# Altium PCB PCB.PcbDoc (part 4 of 10) (continued)
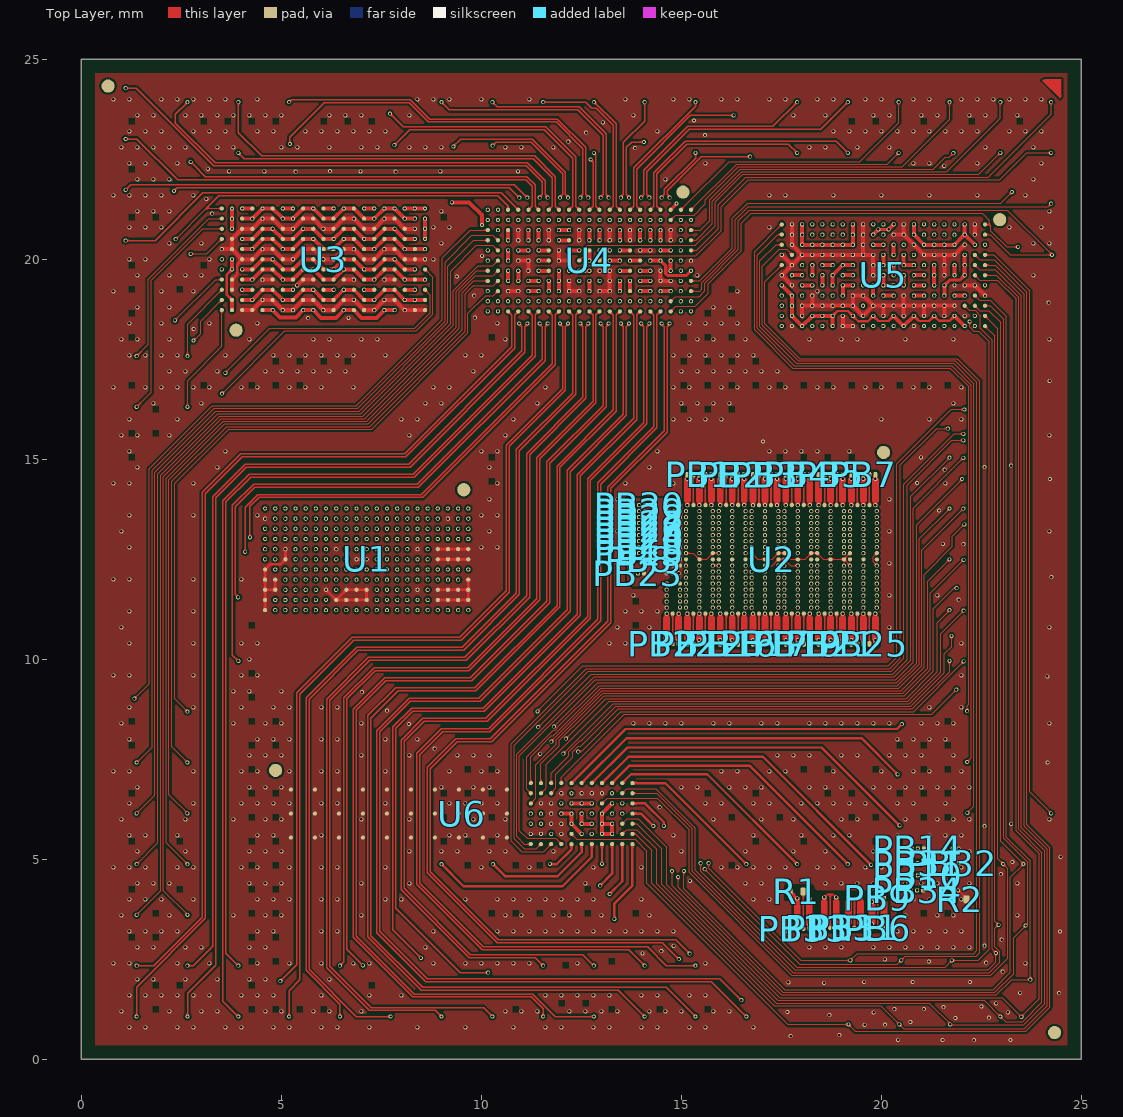
[diagram p0: Top Layer view]
## Nets (pads, with @x,y where several pads share a name; then routed paths per layer and width w, separated by ;. In a path a pad name is that pad's centre, name@x,y a point inside that pad or via, vN(x,y) a via of type N, cw(c..) or ccw(c..) an arc to the next point about the centre after c; other vN are vias at no path point) (continued)
  Core1b w0.1: v3(2.34,17.58) v6(2.655,17.581)
  bu3b w0.1: v3(2.34,17.58) v4(2.54,17.58)
  bu2 w0.03: v6(2.655,17.581) 2.666,17.569 2.813,17.569 5.269,15.113 5.269,13.392 5.263,13.386 5.263,13.098 v2@5.353,13.008
  bu2b w0.1: v3(2.34,17.58) v4(2.54,17.58)
  bu1 w0.03: v6(2.655,17.581) 2.655,17.132 2.811,16.976 4.163,16.976 5.913,15.226 12.636,15.226 13.683,14.179 14.9,14.179 15.212,13.867 15.212,13.649 v2(15.117,13.554)
  bu1b w0.1: v3(2.34,17.58) v6(2.655,17.581)
  other v1: 5.356,13.009 15.117,13.554 2.655,17.581
  other v2: 5.356,13.009 2.655,17.581
  other v5: 15.117,13.554 2.655,17.581
  other v7: 2.655,17.581
  other v8: 2.34,17.58
  other v10: 2.34,17.58
sig_F19: J1.F19 U1.B5 U2.341 U3.U10 | length 28.9
  Top Layer w0.03: v7(1.385,17.581) 1.678,17.874 1.678,19.508 3.187,21.017 U3.U10@3.513,21.017
  Core1 w0.1: v3(1.07,17.58) v7(1.385,17.581)
  Core1b w0.1: v3(1.07,17.58) v7(1.385,17.581)
  bu3b w0.1: v3(1.07,17.58) v4(1.27,17.58)
  bu2 w0.03: v7(1.385,17.581) 1.562,17.581 4.676,14.467 4.676,13.932 4.689,13.919 4.689,12.913 v1(4.848,12.754) ; v5(13.526,13.89) 13.532,13.896 13.532,13.959 13.693,14.12 14.955,14.12 15.288,13.787 15.288,13.125 v1(15.117,12.954)
  bu2b w0.1: v3(1.07,17.58) v4(1.27,17.58)
  bu1 w0.03: v7(1.385,17.581) 2.216,16.749 4.069,16.749 5.819,14.999 12.542,14.999 13.526,14.015 v5(13.526,13.89)
  bu1b w0.05: v3(1.07,17.58) v7(1.385,17.581)
  other v1: 1.385,17.581
  other v2: 4.848,12.754 15.117,12.954 1.385,17.581
  other v5: 1.385,17.581
  other v6: 1.385,17.581
  other v8: 1.07,17.58
  other v10: 1.07,17.58
sig_G1: J1.G1 U1.R1 U2.176 U6.D11 | length 44.6
  Top Layer w0.03: v1(11.421,8.304) 12.748,9.631 20.286,9.631 20.645,9.99 20.645,14.355 21.765,15.475 v2(22.05,15.475)
  bu3 w0.03: v1(11.238,6.143) 11.13,6.251 11.13,8.013 v1(11.421,8.304)
  Core1 w0.1: v3(23.93,16.31) v7(24.245,16.311)
  Core1b w0.1: v3(23.93,16.31) v7(24.245,16.311)
  bu3b w0.1: v3(23.93,16.31) v4(24.13,16.31)
  bu2 w0.03: v1(8.911,13.77) 9.023,13.77 11.189,15.936 16.013,15.936 16.875,16.798 22.301,16.798 22.788,16.311 v7(24.245,16.311) 23.409,15.475 v2(22.05,15.475)
  bu2b w0.1: v4(24.13,16.31) 24.13,16.217 v8(24.244,16.103)
  bu1 w0.03: v5(19.887,13.554) 21.727,15.394 23.328,15.394 v7(24.245,16.311)
  bu1b w0.1: v8(24.244,16.103) v7(24.245,16.311)
  other v1: 19.887,13.554 22.05,15.475
  other v2: 19.887,13.554 8.911,13.77
  other v5: 24.245,16.311
  other v6: 24.245,16.311
  other v10: 23.93,16.31
sig_G2: J1.G2 U1.S3 U2.175 U6.G10 | length 40.7
  Top Layer w0.03: U6.G10@11.492,5.381 11.373,5.262 11.069,5.262 10.82,5.511 10.82,7.854 12.668,9.702 20.246,9.702 20.566,10.022 20.566,14.378 21.826,15.638 v5(22.051,15.638)
  bu3 w0.03: v1(9.165,13.262) 9.01,13.418 9.01,13.762 9.669,14.421 v2(10.042,14.421)
  Core1 w0.1: v5(22.051,15.638) 22.051,15.652 22.66,16.261 v8(22.66,16.31)
  Core1b w0.1: v8(22.66,16.31) 22.661,16.311 v6(22.663,16.658) v6(22.663,16.658)
  bu3b w0.1: v8(22.66,16.31) v4(22.86,16.31)
  bu2 w0.03: v2(10.042,14.421) 10.264,14.421 11.215,15.372 14.43,15.372 14.775,15.717 15.172,15.717 16.037,15.717 16.995,16.675 21.496,16.675 22.051,16.12 v5(22.051,15.638)
  bu2b w0.1: v8(22.66,16.31) v4(22.86,16.31)
  bu1 w0.03: v2(19.887,13.704) 21.821,15.638 v5(22.051,15.638)
  bu1b w0.1: v8(22.66,16.31) 22.663,16.313 v6(22.663,16.658)
  other v1: 19.887,13.704 22.051,15.638
  other v2: 22.051,15.638
  other v3: 22.66,16.31
  other v5: 19.887,13.704
  other v7: 22.051,15.638
  other v10: 22.66,16.31
sig_G3: J1.G3 U1.S1 U2.194 U6.G9 | length 40.2
  Top Layer w0.03: U6.G9@11.746,5.381 11.556,5.191 11.013,5.191 10.754,5.45 10.754,7.895 12.628,9.769 20.215,9.769 20.476,10.03 20.476,14.864 21.38,15.768 v5(21.664,15.768)
  bu3 w0.03: v1(9.165,13.77) 9.72,14.325 v2(9.856,14.325) ; v2(14.595,15.368) 14.846,15.618 16.094,15.618 16.284,15.808 16.995,16.519 21.309,16.519 21.664,16.164 v5(21.664,15.768)
  Core1 w0.1: v10(21.39,16.31) 21.664,16.036 v5(21.664,15.768)
  Core1b w0.1: v10(21.39,16.31) v6(21.705,16.311)
  bu3b w0.1: v10(21.39,16.31) v4(21.59,16.31)
  bu2 w0.03: v2(9.856,14.325) 10.271,14.325 11.24,15.294 14.522,15.294 v2(14.595,15.368) ; v2@19.217,13.259 19.443,13.485 19.443,13.805 20.727,15.089 20.727,15.149 v5(20.734,15.156)
  bu2b w0.1: v10(21.39,16.31) v4(21.59,16.31)
  bu1 w0.03: v5(20.734,15.156) 21.346,15.768 v5(21.664,15.768)
  bu1b w0.1: v10(21.39,16.31) v6(21.705,16.311)
  other v1: 19.217,13.254 21.664,15.768
  other v2: 19.217,13.254 21.664,15.768
  other v3: 21.39,16.31
  other v7: 21.664,15.768
  other v8: 21.39,16.31
sig_G17: J1.G17 U1.D5 U2.342 U3.A5 | length 28.1
  Top Layer w0.03: v1(3.517,16.642) 5.086,18.211 8.375,18.211 8.79,18.626 8.79,19.55 U3.A5@8.593,19.747
  Core1 w0.1: v1(3.517,16.642) 3.517,16.628 3.572,16.574 3.572,16.348 v3(3.61,16.31)
  Core1b w0.1: v3(3.61,16.31) v6(3.925,16.311)
  bu3b w0.1: v3(3.61,16.31) v4(3.81,16.31)
  bu2 w0.03: v1(3.517,16.642) 3.579,16.642 5.184,15.037 5.184,13.64 5.197,13.627 5.197,12.913 v1(5.356,12.754) ; v5(13.347,13.818) 13.347,13.943 13.47,14.066 13.63,14.226 14.978,14.226 15.355,13.849 15.355,13.042 v2(15.117,12.804)
  bu2b w0.1: v3(3.61,16.31) v4(3.81,16.31)
  bu1 w0.03: v1(3.517,16.642) 4.049,16.642 5.77,14.921 12.51,14.921 13.347,14.084 v5(13.347,13.818)
  bu1b w0.1: v3(3.61,16.31) v6(3.925,16.311)
  other v1: 15.117,12.804
  other v2: 5.356,12.754 3.517,16.642
  other v5: 3.517,16.642
  other v7: 3.517,16.642
  other v8: 3.61,16.31
  other v10: 3.61,16.31
sig_G18: J1.G18 U1.A3 U2.304 U2.333 U3.U1 | length 23.2
  Top Layer w0.03: v6(2.655,16.311) 2.655,16.963 3.513,17.822 U3.U1@3.513,18.731
  Core1 w0.1: v3(2.34,16.31) v6(2.655,16.311)
  Core1b w0.1: v3(2.34,16.31) v6(2.655,16.311)
  bu3b w0.1: v3(2.34,16.31) v4(2.54,16.31)
  bu2 w0.03: v6(2.655,16.311) 2.655,15.393 4.323,13.725 4.323,13.533 v1(4.594,13.262) ; v2(15.452,12.954) 15.692,12.714 16.032,12.714 v2(16.272,12.954)
  bu2b w0.1: v3(2.34,16.31) v4(2.54,16.31)
  bu1 w0.03: v6(2.655,16.311) 3.231,15.734 4.088,15.734 5.428,14.394 9.924,14.394 11.364,12.954 v2(15.452,12.954)
  bu1b w0.1: v3(2.34,16.31) v6(2.655,16.311)
  other v1: 15.452,12.954 16.272,12.954 2.655,16.311
  other v2: 4.594,13.262 2.655,16.311
  other v5: 15.452,12.954 2.655,16.311
  other v7: 2.655,16.311
  other v8: 2.34,16.31
  other v10: 2.34,16.31
sig_G19: J1.G19 U1.A4 U2.305 U2.334 U3.U9 | length 28.2
  Top Layer w0.03: v6(1.385,16.311) 1.75,16.676 1.75,19.479 3.034,20.763 U3.U9@3.513,20.763
  Core1 w0.1: v3(1.07,16.31) v6(1.385,16.311)
  Core1b w0.1: v3(1.07,16.31) v6(1.385,16.311)
  bu3b w0.1: v3(1.07,16.31) v4(1.27,16.31)
  bu2 w0.03: v6(1.385,16.311) 3.586,14.109 3.755,14.109 4.159,13.705 4.159,13.443 v1(4.594,13.008) ; v2(15.452,12.804) 15.617,12.639 16.11,12.639 16.155,12.685 16.155,12.687 v2(16.272,12.804)
  bu2b w0.1: v3(1.07,16.31) v4(1.27,16.31)
  bu1 w0.03: v6(1.385,16.311) 2.355,15.34 4.042,15.34 5.06,14.322 9.891,14.322 11.332,12.881 15.227,12.881 15.304,12.804 v2(15.452,12.804)
  bu1b w0.05: v3(1.07,16.31) v6(1.385,16.311)
  other v1: 15.452,12.804 16.272,12.804 1.385,16.311
  other v2: 4.594,13.008 1.385,16.311
  other v5: 15.452,12.804 1.385,16.311
  other v7: 1.385,16.311
  other v8: 1.07,16.31
  other v10: 1.07,16.31
sig_H1: J1.H1 U1.S4 U2.179 U6.E10 | length 43.9
  Top Layer w0.03: v1(11.812,8.315) 12.911,9.414 20.386,9.414 20.88,9.908 20.88,13.366 v2(22.022,14.508)
  bu3 w0.03: v1(11.492,5.889) 11.329,6.052 11.329,7.832 v1(11.812,8.315) ; v2(15.238,15.519) 16.176,15.519 17.061,16.404 20.584,16.404 21.722,15.266 24.019,15.266 v6(24.245,15.041)
  Core1 w0.1: v3(23.93,15.04) v6(24.245,15.041)
  Core1b w0.1: v3(23.93,15.04) v6(24.245,15.041)
  bu3b w0.1: v3(23.93,15.04) v4(24.13,15.04)
  bu2 w0.03: v2(9.166,13.008) 9.072,13.104 9.072,13.571 9.137,13.636 9.394,13.636 10.004,14.246 10.293,14.246 11.267,15.22 14.584,15.22 14.882,15.519 v2(15.238,15.519) ; v2(22.022,14.508) 23.712,14.508 v6(24.245,15.041)
  bu2b w0.1: v4(24.13,15.04) 24.13,14.958 v8(24.248,14.84)
  bu1 w0.03: v5(19.887,13.104) 20.365,13.104 21.588,14.327 23.531,14.327 v6(24.245,15.041)
  bu1b w0.1: v6(24.245,15.041) 24.245,14.843 v8(24.248,14.84)
  other v1: 9.166,13.008 19.887,13.104 22.022,14.508
  other v2: 19.887,13.104 24.245,15.041
  other v5: 24.245,15.041
  other v7: 24.245,15.041
  other v10: 23.93,15.04
sig_H2: J1.H2 U1.T3 U2.178 U6.G8 | length 39.1
  Top Layer w0.03: U6.G8@12,5.381 11.86,5.521 11.143,5.521 10.953,5.711 10.953,7.592 12.846,9.485 20.356,9.485 20.793,9.922 20.793,13.779 v5(22.05,15.036)
  bu3 w0.03: v1(9.419,13.262) 9.297,13.384 9.153,13.384 9.075,13.462 9.075,13.569 9.136,13.63 9.223,13.63 9.297,13.704 9.297,13.789 9.64,14.132 v2(10.055,14.132) ; v2(14.736,15.227) 14.928,15.42 16.203,15.42 17.098,16.315 20.478,16.315 21.631,15.162 21.924,15.162 v5(22.05,15.036)
  Core1 w0.1: v5(22.05,15.036) 22.064,15.036 22.254,15.226 v10(22.653,15.226)
  Core1b w0.1: v10(22.653,15.226) 22.66,15.219 22.66,14.98 22.714,14.926 v8(22.714,14.912)
  bu3b w0.1: v3(22.66,15.04) v4(22.86,15.04)
  bu2 w0.03: v2(10.055,14.132) 10.282,14.132 11.299,15.149 14.657,15.149 v2(14.736,15.227)
  bu2b w0.1: v8(22.714,14.912) 22.732,14.912 v4(22.86,15.04)
  bu1 w0.03: v5(19.887,13.254) 20.414,13.254 22.05,14.89 v5(22.05,15.036)
  other v1: 19.887,13.254 22.05,15.036
  other v2: 19.887,13.254 22.05,15.036
  other v6: 22.714,14.912
  other v7: 22.05,15.036
sig_H3: J1.H3 U1.T1 U2.177 U6.G11 | length 36.6
  Top Layer w0.03: U6.G11@11.238,5.381 11.079,5.381 10.886,5.574 10.886,7.625 12.822,9.561 20.322,9.561 20.735,9.974 20.735,14.071 v6(21.705,15.041)
  bu3 w0.03: v1(9.419,13.77) 9.609,13.96 v2(10.006,13.96) ; v2(15.311,15.321) 16.264,15.321 17.137,16.194 20.376,16.194 21.53,15.041 v6(21.705,15.041)
  Core1 w0.1: v10(21.39,15.04) v6(21.705,15.041)
  Core1b w0.1: v10(21.39,15.04) v6(21.705,15.041)
  bu3b w0.1: v10(21.39,15.04) v4(21.59,15.04)
  bu2 w0.03: v2(10.006,13.96) 10.21,13.96 11.333,15.083 14.727,15.083 14.964,15.321 v2(15.311,15.321)
  bu2b w0.1: v10(21.39,15.04) v4(21.59,15.04)
  bu1 w0.03: v2(19.887,13.404) 20.467,13.404 21.705,14.641 v6(21.705,15.041)
  bu1b w0.1: v10(21.39,15.04) v6(21.705,15.041)
  other v1: 19.887,13.404 21.705,15.041
  other v2: 21.705,15.041
  other v3: 21.39,15.04
  other v5: 19.887,13.404 21.705,15.041
  other v7: 21.705,15.041
  other v8: 21.39,15.04
sig_H17: J1.H17 U1.A1 U2.306 U2.335 | length 16.3
  Core1 w0.1: v3(3.61,15.04) v6(3.925,15.041)
  Core1b w0.1: v3(3.61,15.04) v6(3.925,15.041)
  bu3b w0.1: v3(3.61,15.04) v4(3.81,15.04)
  bu2 w0.03: v6(3.925,15.041) 3.925,14.439 v1(4.594,13.77) ; v2(15.452,12.654) 15.452,12.644 15.54,12.556 16.174,12.556 v2(16.272,12.654)
  bu2b w0.1: v3(3.61,15.04) v4(3.81,15.04)
  bu1 w0.03: v6(3.925,15.041) 3.925,15.026 4.7,14.251 9.86,14.251 11.306,12.805 15.093,12.805 15.244,12.654 v2(15.452,12.654)
  bu1b w0.1: v3(3.61,15.04) v6(3.925,15.041)
  other v1: 15.452,12.654 16.272,12.654
  other v2: 4.594,13.77
  other v5: 15.452,12.654 3.925,15.041
  other v7: 3.925,15.041
  other v8: 3.61,15.04
  other v10: 3.61,15.04
sig_J1: J1.J1 U1.U4 U2.246 U2.275 U6.D10 | length 41.1
  Top Layer w0.03: v1(11.75,7.944) 11.75,7.952 13.01,9.212 20.493,9.212 21.077,9.796 21.077,12.12 21.779,12.822 21.779,13.079 v2(22.074,13.374)
  bu3 w0.03: v1(11.492,6.143) 11.626,6.277 11.626,7.82 v1(11.75,7.944) ; v2(15.016,14.947) 15.092,15.023 16.408,15.023 17.13,15.745 v2(17.228,15.745) 17.386,15.903 19.028,15.903 21.789,13.142 23.616,13.142 v7(24.245,13.771)
  Core1 w0.1: v10(23.93,13.77) v7(24.245,13.771)
  Core1b w0.1: v10(23.93,13.77) v7(24.245,13.771)
  bu3b w0.1: v10(23.93,13.77) v4(24.13,13.77)
  bu2 w0.03: v2(9.674,13.008) 10.058,13.393 10.058,13.471 11.461,14.874 14.943,14.874 v2(15.016,14.947) ; v2(17.092,12.954) 17.192,12.854 17.348,12.698 17.657,12.698 17.727,12.768 17.727,12.769 v1(17.912,12.954) ; v5(17.098,14.103) 17.098,14.515 16.747,14.866 16.747,15.012 17.228,15.493 v2(17.228,15.745) ; v2(22.074,13.374) 23.848,13.374 v7(24.245,13.771)
  bu2b w0.1: v10(23.93,13.77) v4(24.13,13.77)
  bu1 w0.03: v2(17.092,12.954) 17.187,13.049 17.187,14.014 v5(17.098,14.103)
  bu1b w0.1: v10(23.93,13.77) v7(24.245,13.771)
  other v1: 17.092,12.954 9.674,13.008 22.074,13.374
  other v2: 17.912,12.954 24.245,13.771
  other v3: 23.93,13.77
  other v5: 17.092,12.954 24.245,13.771
  other v6: 24.245,13.771
  other v8: 23.93,13.77
sig_J2: J1.J2 U1.U1 U2.181 U6.A11 | length 34
  Top Layer w0.03: U6.A11@11.238,6.905 11.238,7.57 11.752,8.084 11.799,8.084 12.989,9.274 20.442,9.274 21.01,9.842 21.01,12.726 v2(22.05,13.766)
  bu3 w0.03: v2(14.876,15.087) 15.01,15.221 16.302,15.221 17.19,16.109 19.707,16.109 20.905,14.911 v2(22.05,13.766)
  Core1 w0.1: v2(22.05,13.766) 22.052,13.768 22.658,13.768 v10(22.66,13.77)
  Core1b w0.1: v10(22.66,13.77) 22.714,13.77 22.85,13.905 22.969,13.905 v6(22.979,13.915)
  bu3b w0.1: v10(22.66,13.77) v4(22.86,13.77)
  bu2 w0.03: v2(9.674,13.77) 10.107,13.77 11.352,15.016 14.805,15.016 v2(14.876,15.087)
  bu2b w0.1: v4(22.86,13.77) 22.979,13.889 v6(22.979,13.915)
  bu1 w0.03: v5(19.887,12.804) 21.088,12.804 v2(22.05,13.766)
  other v1: 19.887,12.804 9.674,13.77 22.05,13.766
  other v2: 19.887,12.804
  other v3: 22.66,13.77
  other v5: 22.05,13.766
  other v7: 22.05,13.766
  other v8: 22.979,13.915
sig_J3: J1.J3 U1.U3 U2.180 U6.B11 | length 33.6
  Top Layer w0.03: U6.B11@11.238,6.651 11.137,6.752 11.137,7.56 11.802,8.225 11.849,8.225 11.902,8.278 11.902,8.299 12.944,9.341 20.401,9.341 20.943,9.883 20.943,13.008 v7(21.705,13.771)
  bu3 w0.03: v2(15.384,15.122) 16.368,15.122 17.262,16.017 19.458,16.017 v7(21.705,13.771)
  Core1 w0.1: v10(21.242,13.542) 21.471,13.771 v7(21.705,13.771)
  Core1b w0.1: v10(21.242,13.542) 21.27,13.542 21.626,13.898 v6(21.64,13.898)
  bu3b w0.1: v3(21.39,13.77) v4(21.59,13.77)
  bu2 w0.03: v1(9.674,13.262) 10.043,13.632 10.098,13.632 11.406,14.94 14.864,14.94 15.046,15.122 v2(15.384,15.122)
  bu2b w0.03: v4(21.59,13.77) 21.603,13.783 21.603,13.842 21.64,13.879 v6(21.64,13.898)
  bu1 w0.03: v1(19.887,12.954) 20.888,12.954 v7(21.705,13.771)
  other v1: 21.705,13.771
  other v2: 19.887,12.954 9.674,13.262 21.705,13.771
  other v5: 19.887,12.954 21.705,13.771
  other v8: 21.64,13.898
sig_J17: J1.J17 U1.A5 U2.53 U2.298 U2.314 U2.327 U2.343 U2.365 U4.H11 | length 30.2
  Top Layer w0.03: v2(15.117,12.654) 15.297,12.654 U2.365@15.452,12.499 15.632,12.499 U2.327@15.787,12.654 v1(15.937,12.654)
  Top Layer w0.035: v1(4.217,13.049) 4.217,13.821 4.442,14.046 8.534,14.046 11.85,17.362 11.85,18.608 U4.H11@11.94,18.698
  bu3 w0.03: v1(15.937,12.654) 16.078,12.654 16.168,12.564 16.517,12.564 v1(16.607,12.654)
  Core1 w0.1: v3(3.61,13.77) v6(3.925,13.771)
  Core1b w0.1: v3(3.61,13.77) v6(3.925,13.771)
  bu3b w0.1: v3(3.61,13.77) v4(3.81,13.77)
  bu2 w0.03: v6(3.925,13.771) 3.925,13.341 v1(4.217,13.049) ; v1(16.607,12.654) 16.937,12.654 v5(16.938,12.655) ; v1(18.397,12.344) 18.56,12.507 v5(18.737,12.507)
  bu2 w0.035: v1(4.217,13.049) 4.299,13.049 v1(4.594,12.754)
  bu2b w0.1: v3(3.61,13.77) v4(3.81,13.77)
  bu1 w0.03: v6(3.925,13.771) 4.336,14.182 9.828,14.182 11.277,12.733 15.038,12.733 v2(15.117,12.654) ; v5(16.938,12.655) 18.589,12.655 v5(18.737,12.507)
  bu1b w0.1: v3(3.61,13.77) v6(3.925,13.771)
  other v1: 15.117,12.654
  other v2: 18.397,12.344 16.607,12.654 4.594,12.754 4.217,13.049
  other v5: 15.117,12.654 3.925,13.771
  other v7: 3.925,13.771
  other v8: 3.61,13.77
  other v10: 3.61,13.77
sig_K1: J1.K1 U1.T4 U2.248 U2.277 U6.F9 | length 40.7
  Top Layer w0.03: v1(12.112,8.015) 13.115,9.018 20.621,9.018 21.304,9.701 21.304,11.265 21.816,11.777 v1(21.883,11.777)
  bu3 w0.03: v1(11.746,5.635) 11.868,5.757 11.868,7.771 v1(12.112,8.015) ; v2(14.641,14.752) 14.741,14.752 14.775,14.786 16.592,14.786 17.279,15.473 v2(17.478,15.672) 17.617,15.811 19.026,15.811 21.772,13.065 23.68,13.065 v7(24.245,12.501)
  Core1 w0.1: v8(23.93,12.5) v7(24.245,12.501)
  Core1b w0.1: v8(23.93,12.5) v7(24.245,12.501)
  bu3b w0.1: v8(23.93,12.5) v4(24.13,12.5)
  bu2 w0.03: v1(9.42,13.008) 9.539,12.891 9.699,12.891 10.147,13.339 10.147,13.434 11.519,14.806 14.22,14.806 14.274,14.752 v2(14.641,14.752) ; v5(16.844,14.938) 17.478,15.572 v2(17.478,15.672) ; v5(16.937,12.804) 17.087,12.654 v2(17.092,12.654) 17.174,12.572 17.83,12.572 v2(17.912,12.654) ; v1(21.883,11.777) 23.521,11.777 v7(24.245,12.501)
  bu2b w0.1: v8(23.93,12.5) v4(24.13,12.5)
  bu1 w0.03: v5(16.844,14.938) 16.835,14.929 16.835,14.727 17.02,14.542 17.02,14.367 16.992,14.339 16.992,12.859 v5(16.937,12.804)
  bu1b w0.1: v8(23.93,12.5) v7(24.245,12.501)
  other v1: 17.092,12.654 17.912,12.654
  other v2: 21.883,11.777 24.245,12.501 9.42,13.008
  other v3: 23.93,12.5
  other v5: 24.245,12.501
  other v6: 24.245,12.501
  other v10: 23.93,12.5
sig_K2: J1.K2 U2.247 U2.276 U6.A10 | length 25.3
  Top Layer w0.03: U6.A10@11.492,6.905 11.492,7.384 11.949,7.841 11.949,7.98 12.282,8.313 12.303,8.313 13.074,9.084 20.578,9.084 21.229,9.735 21.229,11.657 v2(22.059,12.487)
  bu3 w0.03: v2(18.245,15.656) 19.059,15.656 22.059,12.656 v2(22.059,12.487)
  Core1 w0.1: v2(22.059,12.487) 22.066,12.494 22.654,12.494 v3(22.66,12.5)
  Core1b w0.1: v3(22.66,12.5) v6(22.975,12.501)
  bu3b w0.1: v3(22.66,12.5) v4(22.86,12.5)
  bu2 w0.03: v2(17.092,12.804) 17.211,12.685 17.261,12.635 17.743,12.635 v1(17.912,12.804) ; v5(17.915,14.069) 17.915,14.694 18.247,15.026 18.247,15.654 v2(18.245,15.656)
  bu2b w0.1: v3(22.66,12.5) v4(22.86,12.5)
  bu1 w0.03: v1(17.912,12.804) 18.014,12.906 18.014,13.97 v5(17.915,14.069)
  bu1b w0.1: v3(22.66,12.5) v6(22.975,12.501)
  other v1: 22.059,12.487 17.092,12.804
  other v2: 17.912,12.804
  other v5: 22.059,12.487 17.912,12.804
  other v7: 22.059,12.487
  other v8: 22.66,12.5
  other v10: 22.66,12.5
sig_K3: J1.K3 U1.M6 U2.24 U2.198 U2.227 U2.240 U2.256 U2.269 U2.285 U2.352 U2.353 U2.356 U2.359 U6.C11 | length 42.1
  Top Layer w0.03: U6.C11@11.238,6.397 11.364,6.523 11.364,7.365 11.873,7.874 11.873,7.986 13.036,9.149 20.532,9.149 21.159,9.776 21.159,11.955 v7(21.705,12.501) ; U2.285@16.757,12.654 16.912,12.499 U2.359@17.092,12.499 17.272,12.499 U2.269@17.427,12.654 U2.256@17.577,12.654 17.732,12.499 U2.356@17.912,12.499 18.092,12.499 U2.240@18.247,12.654 U2.227@18.397,12.654 18.552,12.499 U2.353@18.732,12.499 U2.352@19.067,12.499 ; v5(19.217,12.344) 19.217,12.347 19.067,12.496 U2.352@19.067,12.499 ; U2.198@19.217,12.654 19.217,12.651 19.067,12.502 U2.352@19.067,12.499
  bu3 w0.03: v1(7.642,12.5) 7.795,12.654 11.494,12.654 v2(11.765,12.383)
  Core1 w0.1: v3(21.39,12.5) v7(21.705,12.501)
  Core1b w0.1: v3(21.39,12.5) 21.425,12.5 21.62,12.694 21.752,12.694 v8(21.762,12.704)
  bu3b w0.1: v3(21.39,12.5) v4(21.59,12.5)
  bu2 w0.03: v2(11.765,12.383) 12.137,12.011 12.137,10.274 14.45,7.961 18.609,7.961 20.97,10.322 20.97,11.766 v7(21.705,12.501)
  bu2b w0.1: v4(21.59,12.5) 21.59,12.532 v8(21.762,12.704)
  bu1 w0.03: v5(19.217,12.344) 19.217,12.645 19.505,12.933 19.586,12.933 20.033,12.486 20.736,12.486 20.835,12.585 21.272,12.585 21.357,12.501 v7(21.705,12.501)
  other v1: 19.217,12.344 21.705,12.501
  other v2: 19.217,12.344 21.705,12.501
  other v5: 21.705,12.501
  other v6: 21.762,12.704
  other v10: 21.39,12.5
sig_K17: J1.K17 U1.A6 U2.37 U2.124 U2.140 U2.153 U2.169 U4.G11 | length 29.8
  Top Layer w0.03: v1(15.787,12.344) v1(15.937,12.344)
  Top Layer w0.035: v1(4.095,12.688) 4.095,13.803 4.412,14.12 8.503,14.12 11.776,17.393 11.776,18.608 U4.G11@11.686,18.698
  bu3 w0.03: v1(4.095,12.688) 4.406,12.688 v1(4.594,12.5) ; v2(15.117,12.344) 15.207,12.434 15.556,12.434 15.646,12.344 v1(15.787,12.344) ; v1(15.937,12.344) 16.027,12.434 16.309,12.434 16.399,12.344 v1(16.607,12.344) 16.776,12.513 18.898,12.513 v1(19.067,12.344)
  Core1 w0.1: v3(3.61,12.5) v6(3.925,12.501)
  Core1b w0.1: v3(3.61,12.5) v6(3.925,12.501)
  bu3b w0.1: v3(3.61,12.5) v4(3.81,12.5)
  bu2 w0.03: v6(3.925,12.501) 3.925,12.509 4.095,12.679 v1(4.095,12.688) ; v2(15.117,12.344) 15.117,12.347 15.255,12.485 v5(15.255,12.489)
  bu2b w0.1: v3(3.61,12.5) v4(3.81,12.5)
  bu1 w0.03: v6(3.925,12.501) 4.161,12.264 10.299,12.264 10.524,12.489 v5(15.255,12.489)
  bu1b w0.1: v3(3.61,12.5) v6(3.925,12.501)
  other v1: 15.117,12.344
  other v2: 4.095,12.688
  other v5: 3.925,12.501
  other v7: 3.925,12.501
  other v8: 3.61,12.5
  other v10: 3.61,12.5
sig_L1: J1.L1 U1.O6 U2.14 U2.72 U2.101 U2.188 U2.217 U6.A9 | length 43.8
  Top Layer w0.03: U6.A9@11.746,6.905 11.754,6.913 11.754,7.152 12.188,7.586 12.188,7.688 12.462,7.962 12.498,7.962 13.364,8.828 20.736,8.828 21.574,9.666 21.574,10.139 21.755,10.32 v1(21.755,10.586)
  bu3 w0.03: v1(8.15,12.5) 8.244,12.406 11.292,12.406 v2(11.465,12.233)
  Core1 w0.1: v3(23.93,11.23) v6(24.245,11.231)
  Core1b w0.1: v3(23.93,11.23) v6(24.245,11.231)
  bu3b w0.1: v3(23.93,11.23) v4(24.13,11.23)
  bu2 w0.03: v2(11.465,12.233) 11.887,11.811 11.887,10.17 14.275,7.782 18.951,7.782 v1(21.755,10.586) 22.077,10.908 23.922,10.908 v6(24.245,11.231) ; v1(17.092,12.044) 17.262,12.214 17.262,12.306 17.39,12.434 17.647,12.434 17.727,12.354 17.727,12.229 v1(17.912,12.044) 18.064,12.196 18.064,12.309 18.262,12.507 18.285,12.507 18.552,12.774 v1(18.732,12.954) 18.959,12.727 18.959,12.615 19.021,12.553 19.151,12.553 19.368,12.77 v2(19.552,12.954) 19.702,12.804 19.702,12.48 ; v1(19.552,12.044) 19.702,12.194 19.702,12.48 ; v5(20.853,12.413) 20.786,12.48 19.702,12.48
  bu2b w0.1: v3(23.93,11.23) v4(24.13,11.23)
  bu1 w0.03: v5(20.853,12.413) 21.153,12.113 23.362,12.113 23.844,11.631 v6(24.245,11.231)
  bu1b w0.1: v3(23.93,11.23) v6(24.245,11.231)
  other v1: 19.552,12.954
  other v2: 21.755,10.586 17.092,12.044 17.912,12.044 19.552,12.044 18.732,12.954
  other v5: 24.245,11.231
  other v7: 24.245,11.231
  other v8: 23.93,11.23
  other v10: 23.93,11.23
sig_L2: J1.L2 U1.Q6 U2.15 U2.73 U2.102 U2.189 U2.218 U6.C8 | length 40.2
  Top Layer w0.03: v1(12.05,7.644) 13.298,8.892 20.697,8.892 21.482,9.677 21.482,10.64 v5(22.059,11.217)
  bu3 w0.03: v1(8.658,12.5) 11.348,12.5 v2(11.615,12.233) ; v1(12,6.397) 12,6.4 12.113,6.513 12.113,7.581 v1(12.05,7.644) ; v1(17.092,12.194) 17.332,12.434 17.672,12.434 v1(17.912,12.194) 18.167,12.449 18.799,12.449 18.903,12.345 v2(18.903,12.263)
  Core1 w0.1: v5(22.059,11.217) 22.066,11.224 22.654,11.224 v3(22.66,11.23)
  Core1b w0.1: v3(22.66,11.23) v6(22.975,11.231)
  bu3b w0.1: v3(22.66,11.23) v4(22.86,11.23)
  bu2 w0.03: v2(11.615,12.233) 11.969,11.879 11.969,10.204 14.327,7.846 18.688,7.846 v5(22.059,11.217) ; v1(18.732,12.804) 18.856,12.68 18.856,12.536 18.906,12.485 18.906,12.455 ; v2(18.903,12.263) 18.906,12.266 18.906,12.455 ; v2(19.552,12.194) 19.647,12.289 19.647,12.709 v2(19.552,12.804) 19.203,12.455 18.906,12.455
  bu2b w0.1: v3(22.66,11.23) v4(22.86,11.23)
  bu1 w0.03: v2(19.552,12.804) 20.053,12.303 20.795,12.303 21.346,11.752 21.524,11.752 v5(22.059,11.217)
  bu1b w0.1: v3(22.66,11.23) v6(22.975,11.231)
  other v1: 22.059,11.217 19.552,12.194 19.552,12.804
  other v2: 22.059,11.217 18.732,12.804
  other v5: 19.552,12.804
  other v7: 22.059,11.217
  other v8: 22.66,11.23
  other v10: 22.66,11.23
sig_L3: J1.L3 U1.P6 U2.16 U2.74 U2.103 U2.190 U2.219 U2.357 U2.358 U6.B10 | length 38.4
  Top Layer w0.03: U6.B10@11.492,6.651 11.623,6.782 11.623,7.379 13.199,8.955 20.661,8.955 21.394,9.688 21.394,10.92 v7(21.705,11.231) ; U2.103@17.092,12.344 17.272,12.344 U2.358@17.427,12.499 U2.357@17.577,12.499 17.732,12.344 v2(17.912,12.344)
  bu3 w0.03: v1(8.404,12.5) 8.496,12.593 11.405,12.593 v2(11.615,12.383) ; v1@17.877,12.344 v2(17.912,12.344) ; v2(18.071,12.653) 18.072,12.654 v1(18.732,12.654) 18.94,12.654 19.03,12.564 19.332,12.564 v1(19.552,12.344)
  Core1 w0.1: v3(21.39,11.23) v7(21.705,11.231)
  Core1b w0.1: v3(21.39,11.23) v7(21.705,11.231)
  bu3b w0.1: v3(21.39,11.23) v4(21.59,11.23)
  bu2 w0.03: v2(11.615,12.383) 12.055,11.943 12.055,10.24 14.39,7.905 18.654,7.905 21.355,10.606 21.355,10.881 v7(21.705,11.231) ; v2(17.912,12.344) 17.912,12.494 v2(18.071,12.653) ; v1(19.552,12.344) v2(19.552,12.654)
  bu2b w0.1: v3(21.39,11.23) v4(21.59,11.23)
  bu1 w0.03: v2(19.552,12.654) 19.983,12.223 20.712,12.223 v7(21.705,11.231)
  bu1b w0.1: v3(21.39,11.23) v7(21.705,11.231)
  other v1: 21.705,11.231 17.912,12.344 19.552,12.654
  other v2: 21.705,11.231 19.552,12.344
  other v5: 21.705,11.231 19.552,12.654
  other v6: 21.705,11.231
  other v8: 21.39,11.23
  other v10: 21.39,11.23
sig_L16: J1.L16 U2.44 U2.131 U2.160 | length 15.8
  Core1 w0.1: v3(4.88,11.23) v7(5.195,11.231)
  Core1b w0.1: v3(4.88,11.23) v7(5.195,11.231)
  bu3b w0.1: v3(4.88,11.23) v4(5.08,11.23)
  bu2b w0.1: v3(4.88,11.23) v4(5.08,11.23)
  bu1 w0.03: v7(5.195,11.231) 9.481,11.231 10.571,12.32 15.326,12.32 v5(15.452,12.194) 15.632,12.374 16.092,12.374 v5(16.272,12.194) 16.577,12.499 18.427,12.499 v2(18.732,12.194)
  bu1b w0.1: v3(4.88,11.23) v7(5.195,11.231)
  other v1: 15.452,12.194 16.272,12.194 18.732,12.194
  other v2: 15.452,12.194 16.272,12.194
  other v5: 18.732,12.194
  other v6: 5.195,11.231
  other v8: 4.88,11.23
  other v10: 4.88,11.23
sig_L17: J1.L17 U1.B6 U2.45 U2.132 U2.161 U4.F10 | length 31.7
  Top Layer w0.035: v1(3.922,11.55) 3.922,11.556 3.853,11.625 3.853,13.816 4.337,14.3 8.429,14.3 11.596,17.467 11.596,18.314 11.66,18.378 v1(11.66,18.395)
  bu3 w0.03: v1(3.922,11.55) 3.924,11.548 v2@3.924,11.394 ; v1@3.925,11.55 3.925,11.652 4.573,12.3 4.648,12.3 v1(4.848,12.5)
  bu3 w0.035: v1(11.432,18.952) 11.66,18.724 v1(11.66,18.395)
  Core1 w0.1: v8(3.61,11.23) 3.664,11.23 3.818,11.383 3.915,11.383 v5(3.925,11.393)
  Core1b w0.1: v8(3.61,11.23) v6(3.925,11.231)
  bu3b w0.1: v8(3.61,11.23) v4(3.81,11.23)
  bu2b w0.1: v8(3.61,11.23) v4(3.81,11.23)
  bu1 w0.03: v5(3.925,11.393) 3.997,11.321 9.466,11.321 10.538,12.393 15.399,12.393 15.448,12.344 v2(15.452,12.344) 15.597,12.489 16.127,12.489 v2(16.272,12.344) 16.484,12.556 18.52,12.556 v2(18.732,12.344)
  bu1b w0.1: v8(3.61,11.23) v6(3.925,11.231)
  other v1: 15.452,12.344 16.272,12.344 18.732,12.344
  other v2: 3.925,11.393
  other v3: 3.61,11.23
  other v5: 15.452,12.344 16.272,12.344 18.732,12.344
  other v7: 3.925,11.393
  other v10: 3.61,11.23